# Altium PCB Flyer.PcbDoc
Units mil, origin at the board's own origin, x right, y up, seen from the top; angles counter-clockwise.
Board outline 3131.09 x 3130.98 mil, 4 copper layers (Top(1), GND(2), VCC(3), Bottom(4)), stack 29.882 mil thick; 94 components, 85 nets, 381 pads, 16 vias.
Unrouted connection lines stored in the file: 183.
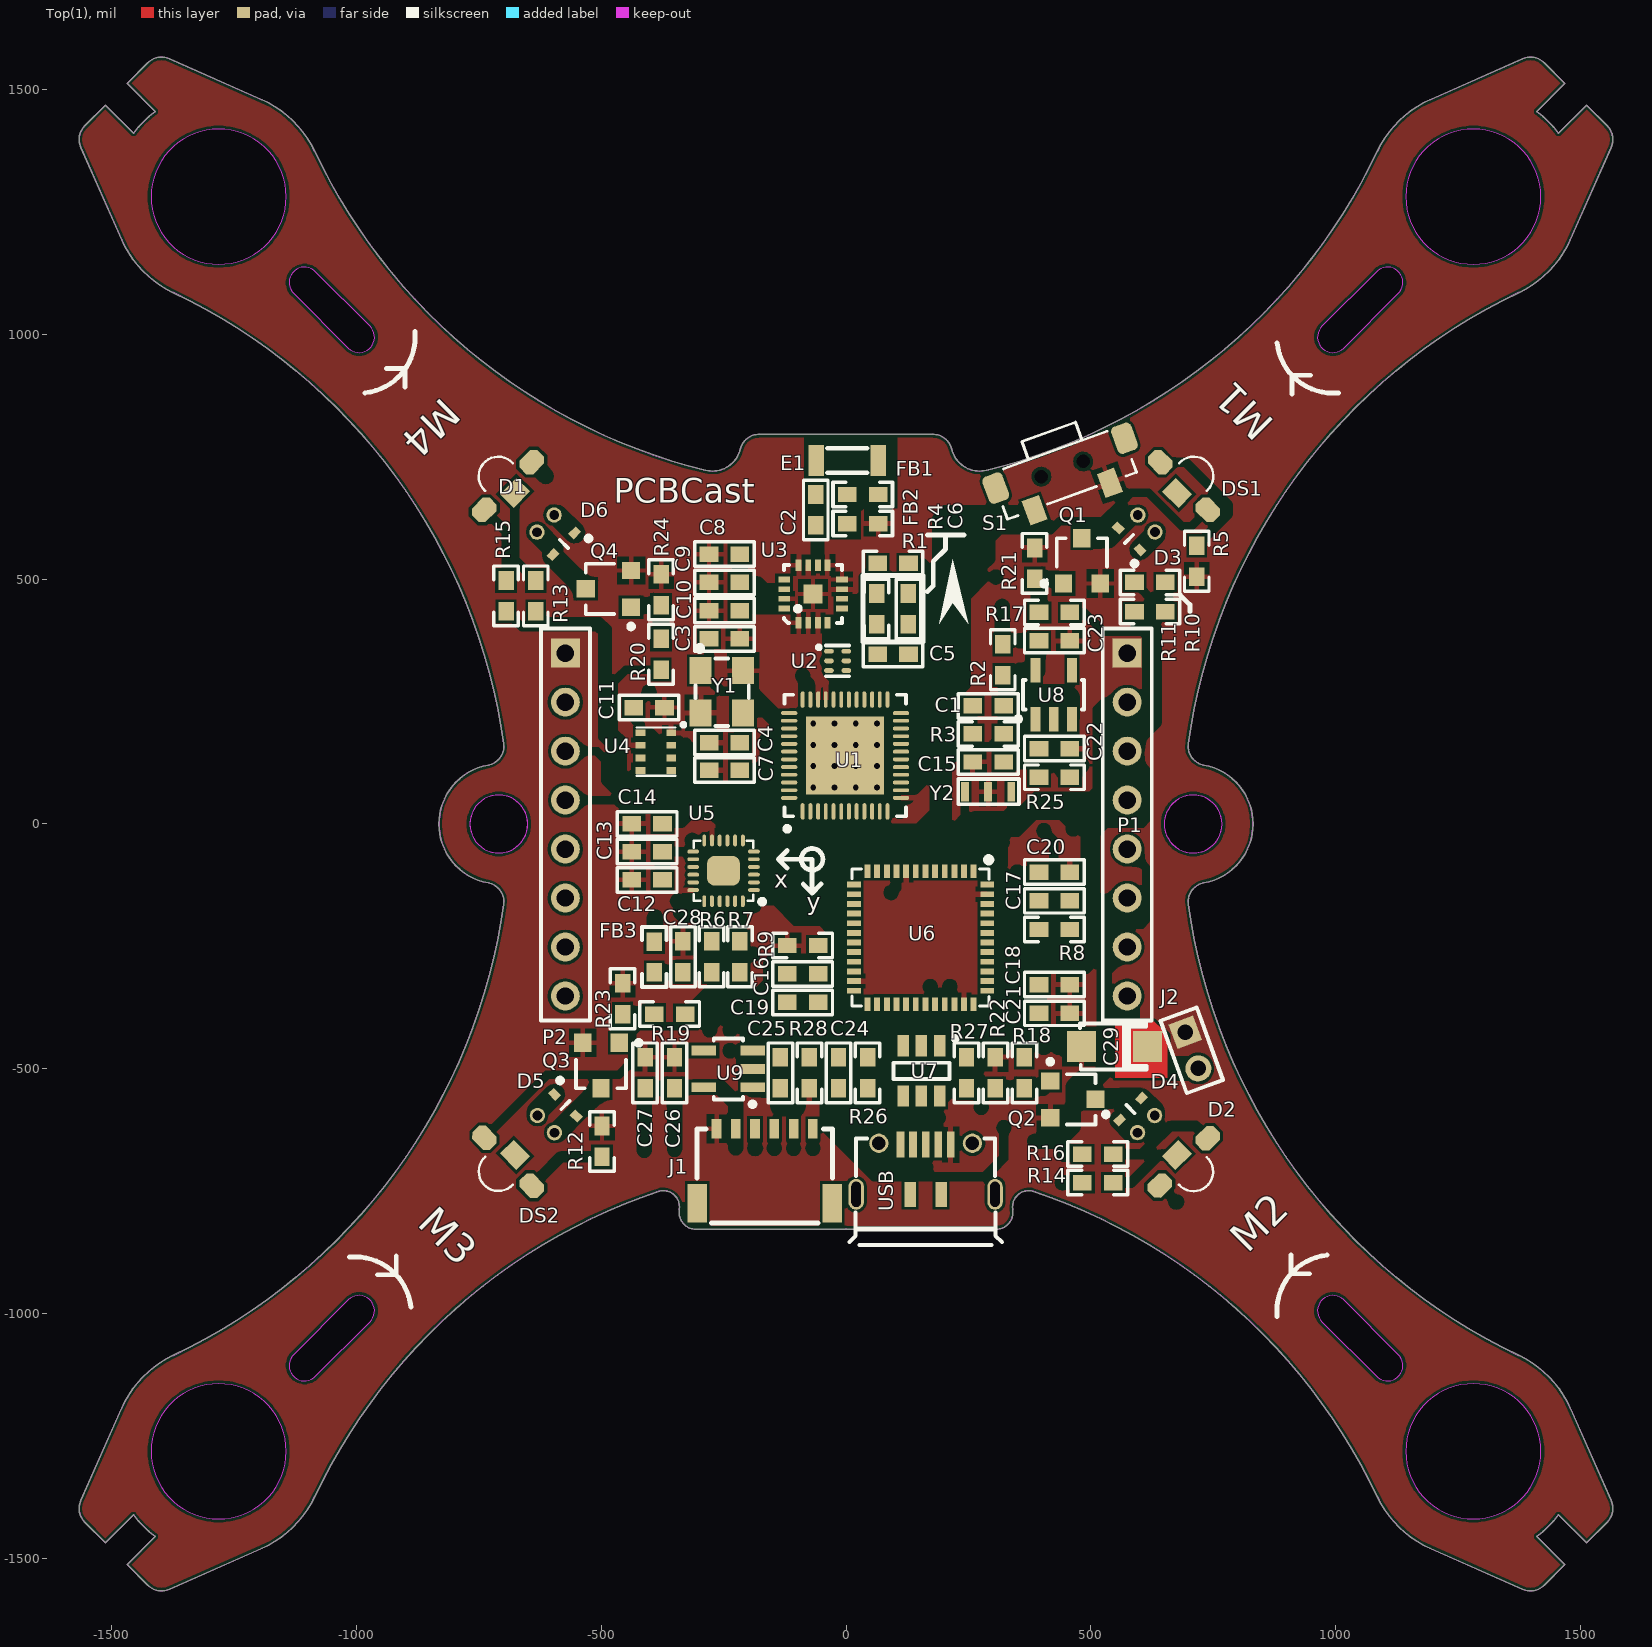
[diagram p0: Top(1) view]
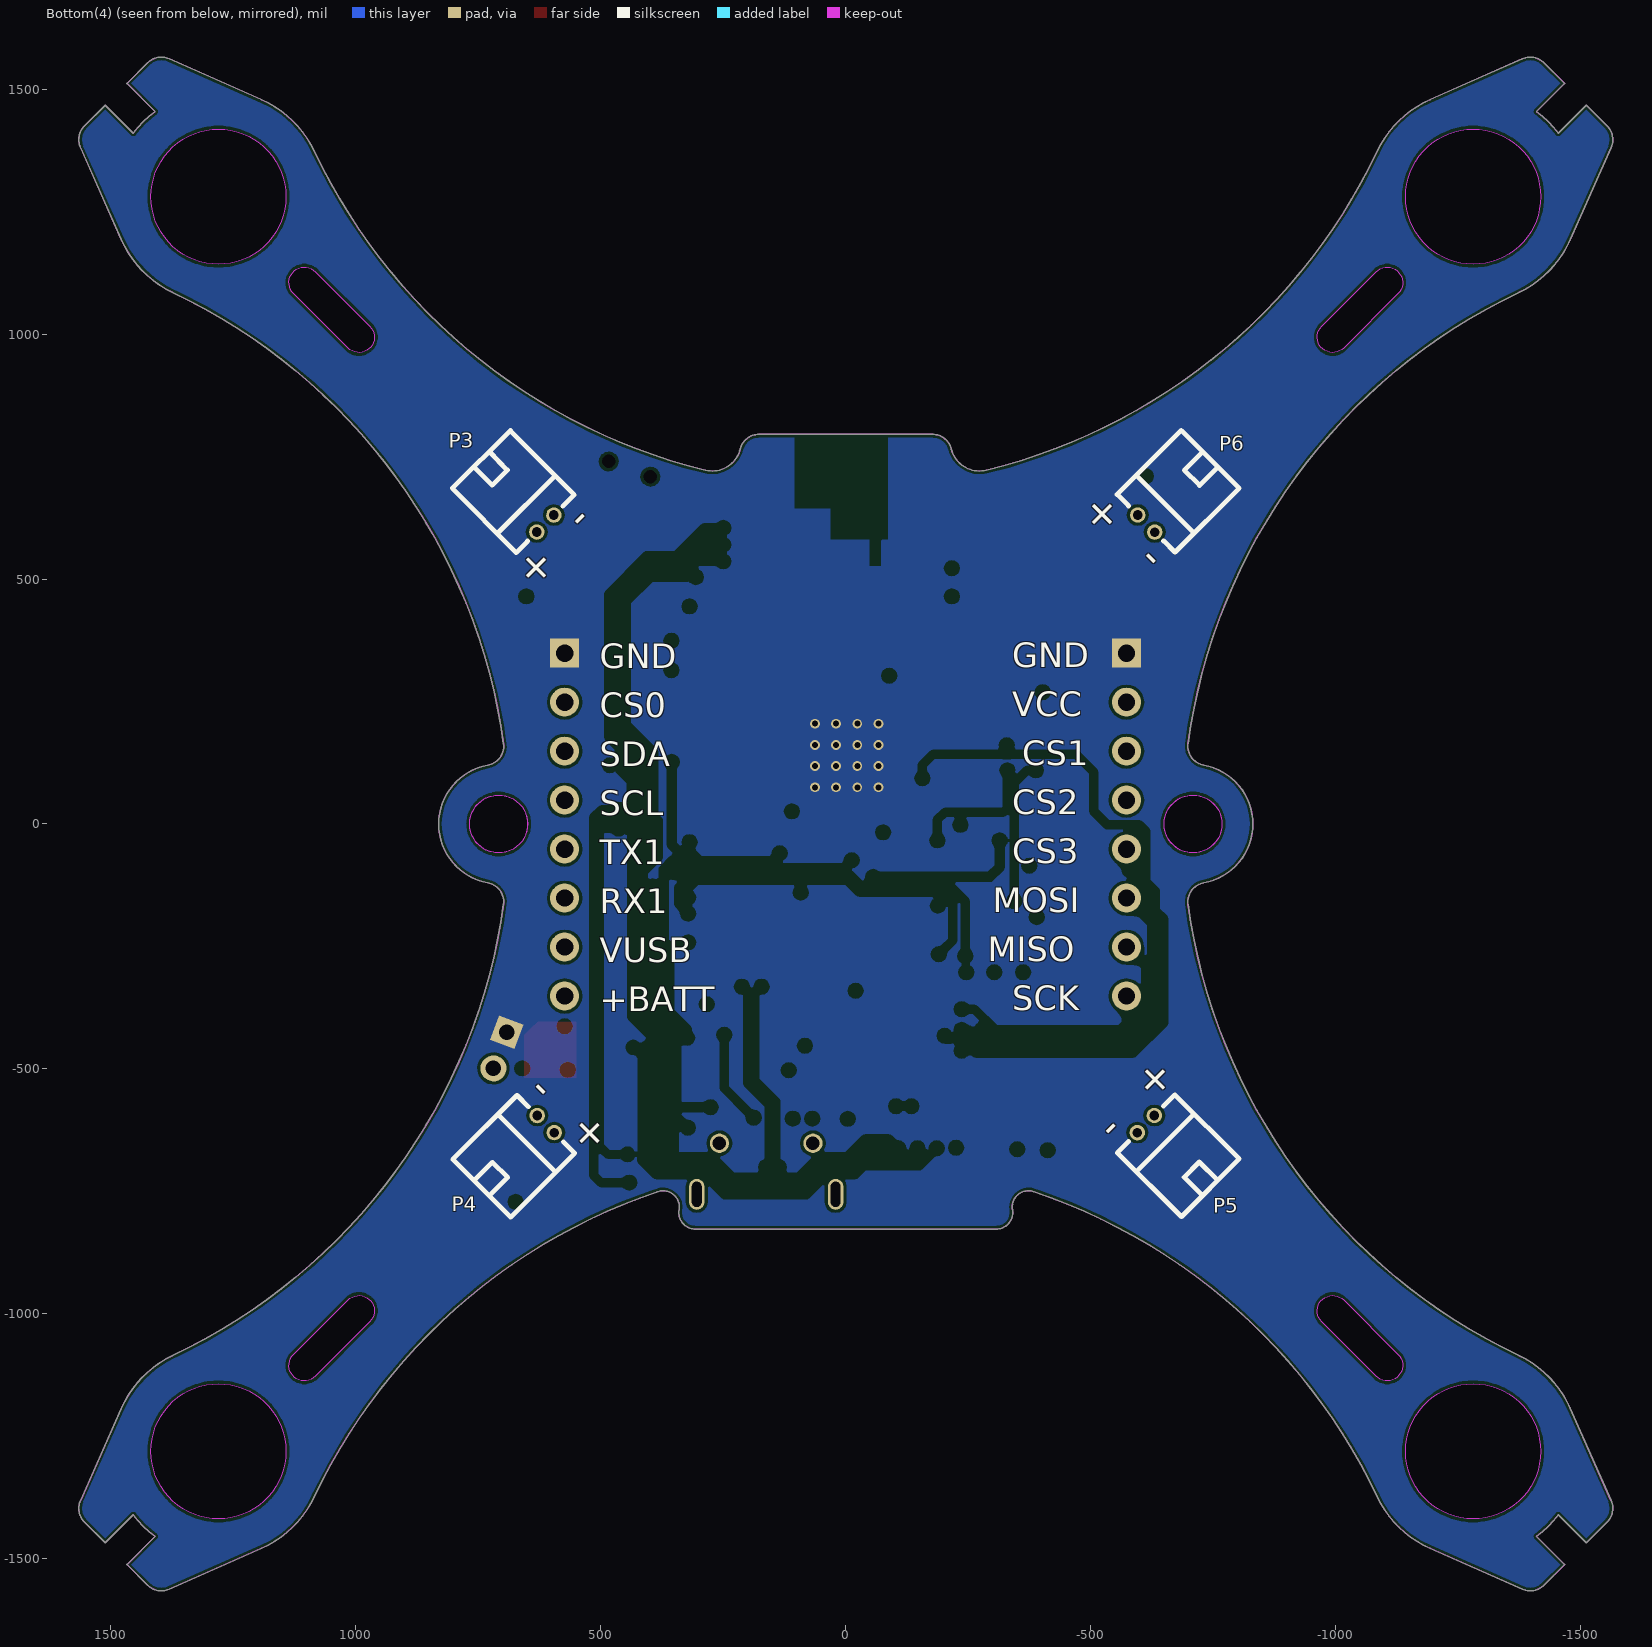
[diagram p1: Bottom(4) view, seen from below]
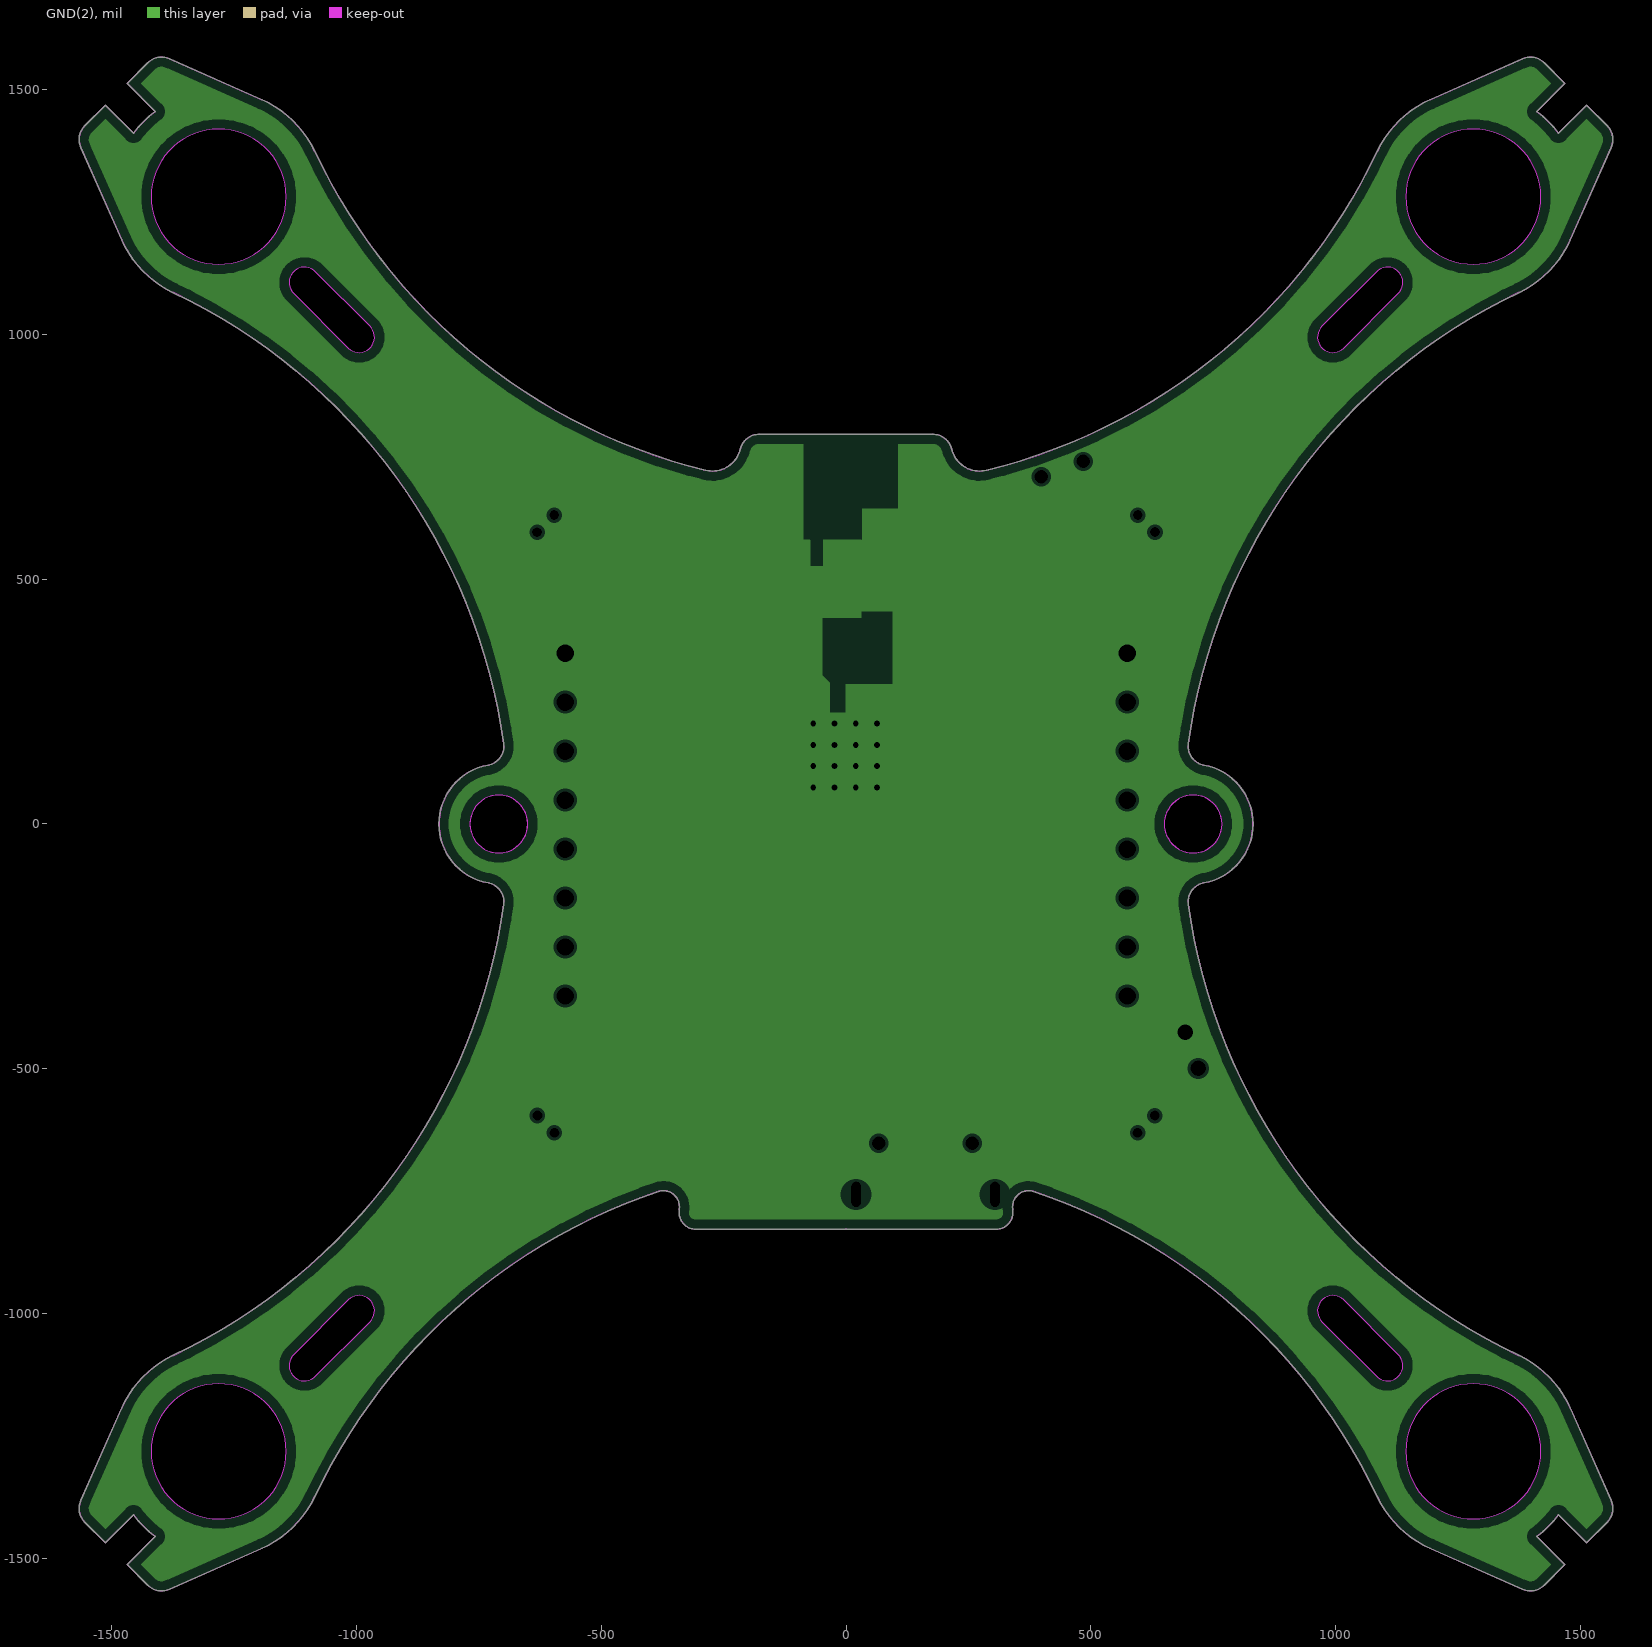
[diagram p2: GND(2), clearances drawn from the general rule]
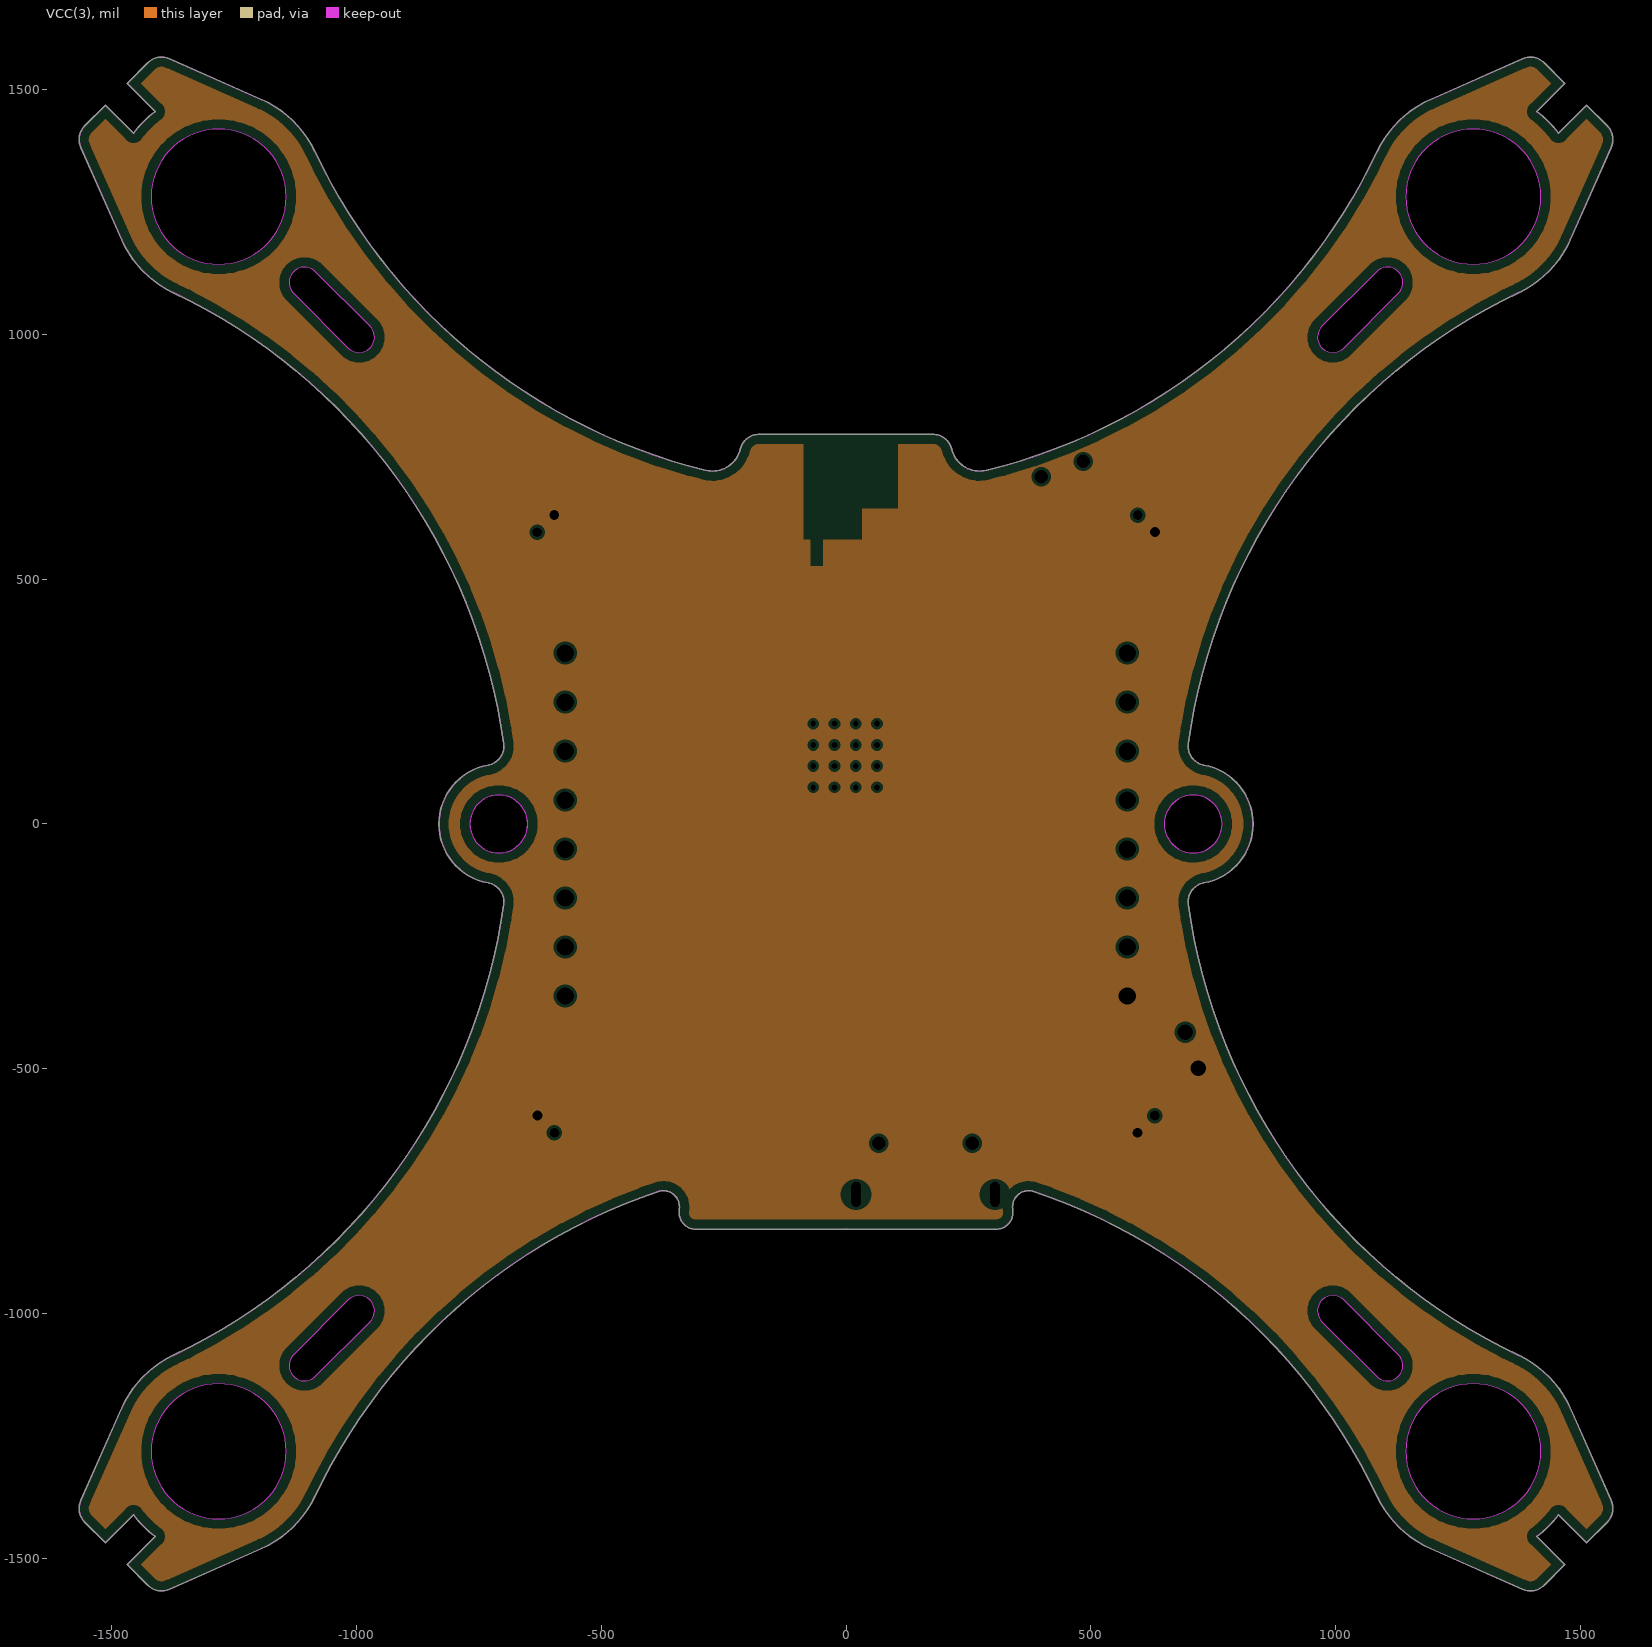
[diagram p3: VCC(3), clearances drawn from the general rule]

## Layer stack, top to bottom
Top Solder: solder mask 0.8, Solder Resist, Dk 3.5
Top(1): signal copper 1.378
Dielectric 1: prepreg 7.874, FR-4, Dk 4.2
GND(2): plane copper 0.689, net GND
Dielectric 3: core 10, Dk 4.2
VCC(3): plane copper 0.689, net (Multiple Nets)
Dielectric 4: prepreg 7.874, Dk 4.2
Bottom(4): signal copper 1.378
Bottom Solder: solder mask 0.8, Solder Resist, Dk 3.5

## Board outline
-1467.29,-1511.84 cw(c-1467.11,-1511.65) -1467.29,-1511.46 -1410.21,-1454.37 cw(c-1280.59,-1280.59) -1454.37,-1410.21 -1511.46,-1467.29 cw(c-1511.65,-1467.11) -1511.84,-1467.29 -1553.99,-1425.14 cw(c-1525.96,-1397.12) -1562.2,-1381.07 cw(c-1561.96,-1381.17) -1562.2,-1381.06 -1478.82,-1192.8 -1478.82,-1192.79 cw(c-1478.57,-1192.9) -1478.81,-1192.79 -1478.82,-1192.79 cw(c-1280.59,-1280.59) -1373.49,-1084.7 ccw(c-1373.38,-1084.94) -1373.5,-1084.71 -1373.49,-1084.7 cw(c-1373.38,-1084.94) -1373.49,-1084.7 ccw(c-1887.96,0) -698.72,-164.18 cw(c-698.45,-164.21) -698.71,-164.17 cw(c-698.45,-164.21) -698.71,-164.17 ccw(c-737.45,-158.83) -698.35,-158.83 ccw(c-737.45,-158.83) -730.47,-120.35 ccw(c-737.45,-158.83) -730.48,-120.35 ccw(c-730.43,-120.09) -730.47,-120.35 -730.48,-120.35 cw(c-708.66,0) -730.48,120.35 ccw(c-737.45,158.83) -698.35,158.83 ccw(c-737.45,158.83) -698.71,164.17 ccw(c-737.45,158.83) -698.72,164.18 ccw(c-1887.96,0) -1373.49,1084.7 cw(c-1373.38,1084.94) -1373.5,1084.71 -1373.49,1084.7 cw(c-1280.59,1280.59) -1478.82,1192.79 ccw(c-1478.57,1192.9) -1478.81,1192.79 -1478.82,1192.79 ccw(c-1478.57,1192.9) -1478.82,1192.79 -1562.2,1381.06 -1562.2,1381.07 cw(c-1561.96,1381.17) -1562.2,1381.07 cw(c-1525.96,1397.12) -1553.99,1425.14 -1511.84,1467.29 cw(c-1511.65,1467.11) -1511.46,1467.29 -1454.37,1410.21 cw(c-1280.59,1280.59) -1410.21,1454.37 -1467.29,1511.46 cw(c-1467.11,1511.65) -1467.29,1511.84 -1425.15,1553.98 cw(c-1424.96,1553.8) -1425.14,1553.99 cw(c-1397.12,1525.96) -1381.07,1562.2 cw(c-1381.17,1561.96) -1381.06,1562.2 -1192.79,1478.82 cw(c-1192.9,1478.57) -1192.79,1478.81 cw(c-1192.9,1478.57) -1192.78,1478.81 cw(c-1280.59,1280.59) -1084.71,1373.5 cw(c-1084.94,1373.38) -1084.7,1373.49 ccw(c0,1887.96) -286.82,722.2 ccw(c-272.77,779.29) -215.67,765.32 ccw(c-272.77,779.29) -215.67,765.32 cw(c-177.17,755.91) -177.17,795.54 cw(c-177.17,795.28) -177.16,795.54 177.17,795.54 ccw(c177.17,795.28) 177.16,795.54 177.17,795.54 cw(c177.17,755.91) 215.67,765.32 ccw(c272.77,779.29) 215.67,765.32 ccw(c272.77,779.29) 286.82,722.2 ccw(c0,1887.96) 1084.7,1373.49 cw(c1280.59,1280.59) 1084.71,1373.5 cw(c1280.59,1280.59) 1192.78,1478.81 cw(c1280.59,1280.59) 1192.79,1478.81 1192.79,1478.82 1381.06,1562.2 cw(c1381.17,1561.96) 1381.07,1562.2 cw(c1397.12,1525.96) 1425.14,1553.99 cw(c1424.96,1553.8) 1425.15,1553.99 1425.14,1553.99 1467.29,1511.84 cw(c1467.11,1511.65) 1467.37,1511.65 cw(c1467.11,1511.65) 1467.29,1511.46 1410.21,1454.37 cw(c1280.59,1280.59) 1454.37,1410.21 1511.46,1467.29 cw(c1511.65,1467.11) 1511.84,1467.29 1553.99,1425.14 cw(c1525.96,1397.12) 1565.6,1397.12 cw(c1525.96,1397.12) 1562.2,1381.07 cw(c1561.96,1381.17) 1562.2,1381.06 1562.2,1381.07 cw(c1561.96,1381.17) 1562.2,1381.07 1562.2,1381.06 1478.82,1192.79 cw(c1478.57,1192.9) 1478.81,1192.79 cw(c1478.57,1192.9) 1478.81,1192.79 1478.82,1192.79 1478.81,1192.79 cw(c1280.59,1280.59) 1373.49,1084.7 ccw(c1373.38,1084.94) 1373.5,1084.71 1373.49,1084.7 ccw(c1887.96,0) 698.72,164.18 cw(c698.45,164.21) 698.72,164.18 cw(c698.45,164.21) 698.71,164.17 cw(c737.45,158.83) 698.72,164.18 698.71,164.17 ccw(c737.45,158.83) 730.48,120.35 cw(c708.66,0) 830.97,0 cw(c708.66,0) 730.48,-120.35 ccw(c737.45,-158.83) 730.47,-120.35 ccw(c737.45,-158.83) 698.71,-164.17 ccw(c737.45,-158.83) 698.72,-164.18 cw(c698.45,-164.21) 698.72,-164.18 ccw(c1887.96,0) 1373.49,-1084.7 cw(c1373.38,-1084.94) 1373.49,-1084.7 cw(c1280.59,-1280.59) 1478.81,-1192.79 cw(c1478.57,-1192.9) 1478.82,-1192.8 1562.2,-1381.06 cw(c1561.96,-1381.17) 1562.2,-1381.07 cw(c1561.96,-1381.17) 1562.2,-1381.07 1562.2,-1381.06 1562.2,-1381.07 cw(c1525.96,-1397.12) 1565.6,-1397.12 cw(c1525.96,-1397.12) 1553.99,-1425.14 1511.84,-1467.29 cw(c1511.65,-1467.11) 1511.46,-1467.29 1454.37,-1410.21 cw(c1280.59,-1280.59) 1410.21,-1454.37 1467.29,-1511.46 cw(c1467.11,-1511.65) 1467.37,-1511.65 cw(c1467.11,-1511.65) 1467.29,-1511.84 1425.14,-1553.99 ccw(c1424.96,-1553.8) 1425.15,-1553.99 1425.14,-1553.99 cw(c1397.12,-1525.96) 1381.07,-1562.2 ccw(c1381.17,-1561.96) 1381.07,-1562.2 1381.06,-1562.2 1192.79,-1478.82 cw(c1192.9,-1478.57) 1192.79,-1478.81 1192.79,-1478.82 cw(c1280.59,-1280.59) 1192.78,-1478.81 cw(c1280.59,-1280.59) 1084.71,-1373.5 cw(c1280.59,-1280.59) 1084.7,-1373.49 ccw(c0,-1887.96) 383.64,-750.39 cw(c383.72,-750.13) 383.64,-750.38 ccw(c373.03,-781.84) 340.32,-787.52 ccw(c373.03,-781.84) 340.32,-787.53 cw(c307.09,-793.31) 340.82,-793.31 cw(c307.09,-793.31) 307.09,-827.04 -307.09,-827.04 cw(c-307.09,-793.31) -340.32,-787.53 cw(c-340.06,-787.57) -340.32,-787.52 ccw(c-373.03,-781.84) -339.83,-781.84 ccw(c-373.03,-781.84) -383.64,-750.38 cw(c-383.72,-750.13) -383.64,-750.39 ccw(c0,-1887.96) -1084.7,-1373.49 cw(c-1280.59,-1280.59) -1084.71,-1373.5 ccw(c-1084.94,-1373.38) -1084.7,-1373.49 -1084.71,-1373.5 cw(c-1280.59,-1280.59) -1192.78,-1478.81 cw(c-1280.59,-1280.59) -1192.79,-1478.82 ccw(c-1192.9,-1478.57) -1192.79,-1478.81 ccw(c-1192.9,-1478.57) -1192.78,-1478.81 -1192.79,-1478.81 -1192.79,-1478.82 -1381.06,-1562.2 cw(c-1381.17,-1561.96) -1381.07,-1562.2 cw(c-1381.17,-1561.96) -1381.07,-1562.2 -1381.06,-1562.2 -1381.07,-1562.2 cw(c-1397.12,-1525.96) -1425.14,-1553.99 -1425.15,-1553.98 ccw(c-1424.96,-1553.8) -1425.14,-1553.99 -1425.15,-1553.98
cut-out: 649.61,0 ccw(c708.66,0) 708.66,-59.06 ccw(c708.66,0) 767.72,0 ccw(c708.66,0) 708.66,59.05 ccw(c708.66,0)
cut-out: -767.72,0 ccw(c-708.66,0) -708.66,-59.06 ccw(c-708.66,0) -649.61,0 ccw(c-708.66,0) -708.66,59.05 ccw(c-708.66,0)
cut-out: 1142.79,-1280.59 ccw(c1280.59,-1280.59) 1280.59,-1418.38 ccw(c1280.59,-1280.59) 1418.38,-1280.59 ccw(c1280.59,-1280.59) 1280.59,-1142.79 ccw(c1280.59,-1280.59)
cut-out: 971.58,-1016.12 1082.93,-1127.47 ccw(c1105.2,-1105.2) 1127.47,-1082.93 1016.12,-971.58 ccw(c993.85,-993.85)
cut-out: -1418.38,-1280.59 ccw(c-1280.59,-1280.59) -1280.59,-1418.38 ccw(c-1280.59,-1280.59) -1142.79,-1280.59 ccw(c-1280.59,-1280.59) -1280.59,-1142.79 ccw(c-1280.59,-1280.59)
cut-out: -1127.47,-1082.93 ccw(c-1105.2,-1105.2) -1082.93,-1127.47 -971.58,-1016.12 ccw(c-993.85,-993.85) -1016.12,-971.58
cut-out: 971.58,1016.12 ccw(c993.85,993.85) 1016.12,971.58 1127.47,1082.93 ccw(c1105.2,1105.2) 1082.93,1127.47
cut-out: 1142.79,1280.59 ccw(c1280.59,1280.59) 1280.59,1142.79 ccw(c1280.59,1280.59) 1418.38,1280.59 ccw(c1280.59,1280.59) 1280.59,1418.38 ccw(c1280.59,1280.59)
cut-out: -1127.47,1082.93 -1016.12,971.58 ccw(c-993.85,993.85) -971.58,1016.12 -1082.93,1127.47 ccw(c-1105.2,1105.2)
cut-out: -1418.38,1280.59 ccw(c-1280.59,1280.59) -1280.59,1142.79 ccw(c-1280.59,1280.59) -1142.79,1280.59 ccw(c-1280.59,1280.59) -1280.59,1418.38 ccw(c-1280.59,1280.59)
